# Allegro board RK3588S_Tablet_Demo_LP4XD200P232SD10H2_V11_20220218.brd (continued)
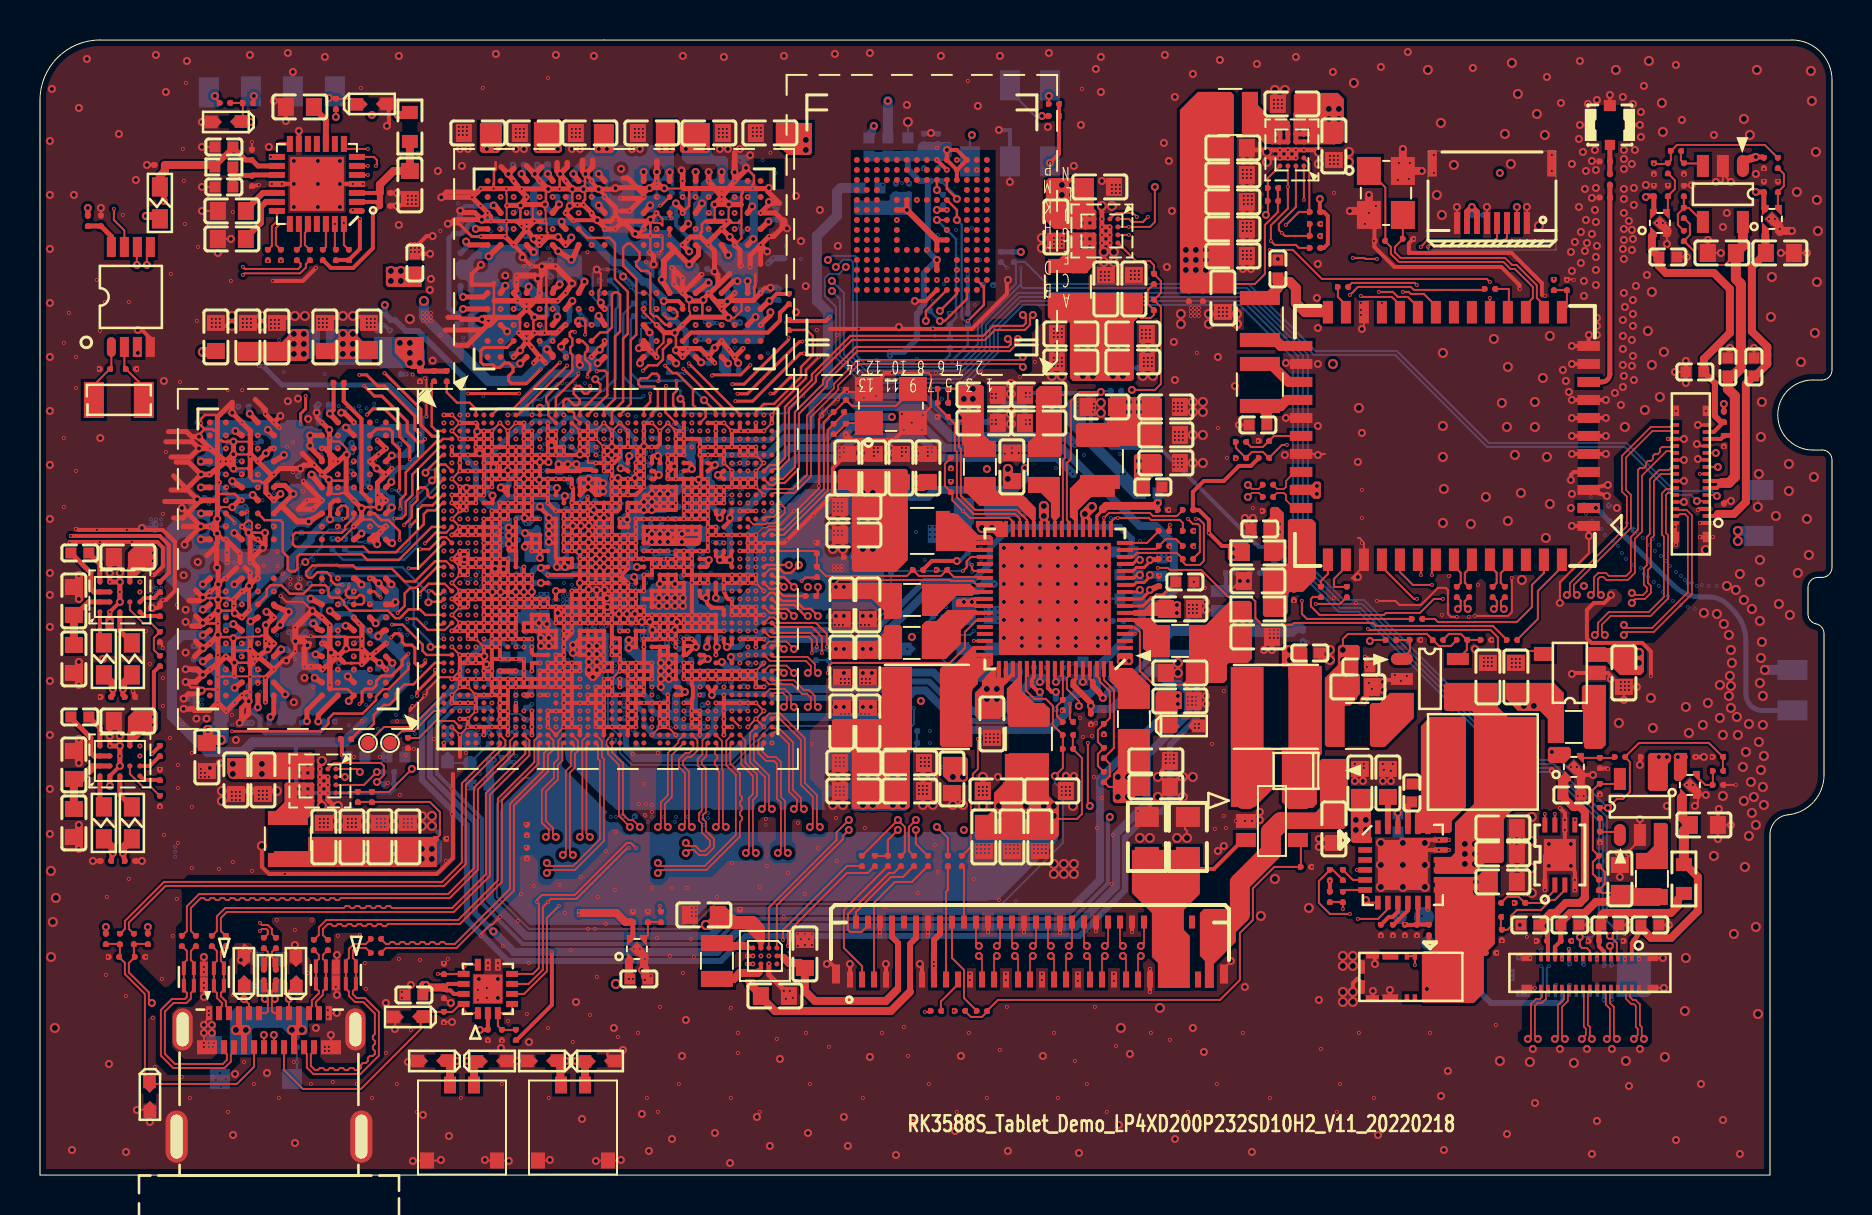
[diagram p0: board, top side]
## Nets (continued)
U3801.V12(VSS_46) U3801.W2(VSS_47) U3801.W4(VSS_48) U3801.W9(VSS_49) U3801.W11(VSS_50) U3801.Y1(VSS_51) U3801.Y5(VSS_52) U3801.Y8(VSS_53) U3801.Y12(VSS_54) U4000.A6(VSS2) U4000.C4(VSS3) U4000.E7(VSS4) U4000.G5(VSS5) U4000.H10(VSS6) U4000.J5(VSS1) U4000.K8(VSSQ1) U4000.N2(VSSQ2) U4000.N5(VSSQ3) U4000.P4(VSSQ4) U4000.P6(VSSQ5) U4600.N2(GND) U4600.N5(EP) U4601.N2(GND) U4601.N5(EP) U4602.2(GND) U4700.N2(GND) U4700.N5(EP) U4701.2(GND) U4702.N2(GND) U4702.N5(EP) U5602.2(GND) U6300.1(GND1) U6300.3(GND2) U6300.4(GND3) U6300.5(GND4) U6300.6(GND5) U6300.7(GND6) U6300.8(GND7) U6300.10(GND8) U6300.11(GND9) U6300.23(GND10) U6300.27(GND11) U6300.30(GND12) U6300.32(GND13) U6300.39(GND14) U7000.4(DGND) U7000.13(HPGND) U7000.18(AGND) U7000.29(E-PAD) U7003.2(GND) U7004.B1(PGND) U7004.B4(CGND) U7004.C3(AD2) U7005.B1(PGND) U7005.B4(CGND) U7005.C3(AD2) U7006.N2(GND) U7006.N5(EP) Y1100.2(GND#2) Y1100.4(GND#4) Y6300.2(GND#2) Y6300.4(GND#4)
VBUS_TYPEC: C2504.1 C2617.2 C9923.1 J2600.A4(VBUS_1) J2600.A9(VBUS_2) J2600.B4(VBUS_3) J2600.B9(VBUS_4) R2264.1 U2501.1(VBUS) U2600.2(VBUS)
VCC1V8_PMU_DDR_S3: C1101.1 C1106.1 C1107.1 C3841.1 C3842.1 C3843.1 C3844.1 C3845.1 C3846.1 C3847.1 C3848.1 C3883.1 C3884.1 C3885.1 C3886.1 C3887.1 C3888.1 C3889.1 C3890.1 R1111.1 R1112.1 R1113.1 R1114.1 R2210.1 R2211.1 U1000.N37(PMUIO1_1V8_1) U1000.R36(PMUIO1_1V8_2) U1000.V35(PMUIO2_1) U1000.V36(PMUIO2_2) U1000.V37(PMUIO2_1V8_1) U1000.Y37(PMUIO2_1V8_2) U3800.F1(VDD1_1) U3800.F12(VDD1_2) U3800.G4(VDD1_3) U3800.G9(VDD1_4) U3800.T4(VDD1_5) U3800.T9(VDD1_6) U3800.U1(VDD1_7) U3800.U12(VDD1_8) U3801.F1(VDD1_1) U3801.F12(VDD1_2) U3801.G4(VDD1_3) U3801.G9(VDD1_4) U3801.T4(VDD1_5) U3801.T9(VDD1_6) U3801.U1(VDD1_7) U3801.U12(VDD1_8)
VCC3V3_FLASH: C4005.1 C4006.1 C4007.1 R9693.2 U4000.E6(VCC1) U4000.F5(VCC2) U4000.J10(VCC3) U4000.K9(VCC4)
VCC3V3_PCIEWL_VBAT: C6316.1 C6317.1 R6314.1 U6300.36(VBAT)
VCC_1V1_NLDO_S3: C2257.1 C2264.1 C2325.1 C2326.1 C2327.1 L2303.2 R2313.1 U2200.9(VCC14) U2200.13(VCC13)
VCC_1V2_CAM1: C4600.1 C4601.1 C4629.1 C4630.1 J4600.6 J4600.7 J4600.13 R4645.1 U4602.5(OUT)
VCC_1V05: C4700.1 C4701.1 C4721.1 C4722.1 J4700.13 L4700.2 R4735.2
VCC_1V8_CAM1: C4602.1 C4603.1 C4623.1 J4600.14 U4601.N1(VOUT)
VCC_1V8_CAM34: C4702.1 C4703.1 C4719.1 J4700.14 U4700.N1(VOUT)
VCC_1V8_LCD: C9629.1 J5500.15 J5500.16 U7006.N1(VOUT)
VCC_1V8_S0: C1302.1 C1508.1 C1902.1 C1903.1 C1904.1 C1905.1 C1906.1 C2246.1 J7006.1 R1401.2 R1509.1 R1510.1 R1904.1 R1905.1 R1910.1 R1911.1 R1916.1 R1917.1 R1921.1 R1922.1 R2359.1 R9692.1 U1000.AC33(VCCIO5_1) U1000.AC34(VCCIO5_2) U1000.AF36(VCCIO5_1V8) U1000.AJ34(VCCIO6_1V8) U1000.AK11(VCCIO2_1V8) U1000.G27(VCCIO4_1V8_1) U1000.G28(VCCIO4_1V8_2) U1000.G31(VCCIO4) U1000.H31(VCCIO1_1V8) U2200.60(PLDO1)
VCC_1V8_S3: C2242.1 C2243.1 L2208.1 R2112.2 R2113.1 R2211.2 R2261.1 R2263.1 R6315.2 R9701.1 U2200.25(VOUT10)
VCC_1V8_S3_PLDO6: C2248.1 R2210.2 U2200.20(VCCIO)
VCC_2V0_PLDO_S3: C2244.1 C2245.1 C2247.1 L2209.2 U2200.41(VOUT7) U2200.59(VCC11)
VCC_2V8_AF_CAM34: C4706.1 C4707.1 J4700.6 R4718.2
VCC_2V8_CAM1: C4604.1 C4605.1 C4619.1 J4600.2 U4600.N1(VOUT)
VCC_2V8_CAM34: C4704.1 C4705.1 C4729.1 J4700.2 R4718.1 U4702.N1(VOUT)
VCC_3V3_S0: C1907.1 C2331.1 C9633.2 J7002.6 J7002.7 R1914.1 R1915.1 R2308.2 R2601.1 R9693.1 U1000.AL33(VCCIO6_1) U1000.AM33(VCCIO6_2) U2304.1(VOUT)
VCC_3V3_S3: C2238.1 C2239.1 C2330.1 C4618.1 C4620.1 C4628.1 C4716.1 C4727.1 C9628.1 L2206.1 R2302.1 R2615.2 R6314.2 U2200.5(VOUT8) U2304.5(IN) U4600.N4(VIN) U4601.N4(VIN) U4602.1(IN) U4700.N4(VIN) U4702.N4(VIN) U7006.N4(VIN)
VCC_BAT: BT2000.1 BT2000.8 BT2000.9 BT2000.10 BT2000.11 BT2000.12 C2509.1 C2510.1 C9616.1 L6303.1 R2002.1 R9680.1 R9681.2 U2501.13(BAT1) U2501.14(BAT2) U7003.5(VIN)
VCC_RTC: C2126.1 R9681.1 U2102.8(VDD)
VCC_SYSIN: C2200.1 C2201.1 C2213.1 C2225.1 C2226.1 C2235.1 C2236.1 C2241.1 C2252.1 C2254.1 C2300.1 C2301.1 C2308.1 C2309.1 C2316.1 C2317.1 C2324.1 C2507.1 C2508.1 C2614.1 C2615.1 C4720.1 C5500.1 C5501.1 C5609.1 C7034.1 C9621.1 ED2200.1 J7012.C1(VIN) L2500.2 L5600.1 R9691.1 U2200.1(VCC9) U2200.7(VCC8) U2200.21(VCCA) U2200.22(VCC4) U2200.27(VCC10) U2200.28(VCC6) U2200.33(VCC2_1) U2200.34(VCC2_2) U2200.43(VCC7) U2200.44(VCC5) U2200.52(VCC1_1) U2200.53(VCC1_2) U2200.54(VCC3) U2200.64(VCC12) U2300.D1(VIN_1) U2300.D2(VIN_2) U2300.E1(VIN_3) U2300.E2(VIN_4) U2301.D1(VIN_1) U2301.D2(VIN_2) U2301.E1(VIN_3) U2301.E2(VIN_4) U2302.D1(VIN_1) U2302.D2(VIN_2) U2302.E1(VIN_3) U2302.E2(VIN_4) U2303.4(VIN) U2501.15(SYS1) U2501.16(SYS2) U2600.12(VCONN_12) U2600.13(VCONN_13) U4701.4(VIN) U5602.6(IN) U7004.D4(VDD) U7005.D4(VDD)
VCCA1V8_CODEC: C7000.1 C7001.1 C7006.1 R7001.2 R7009.2 U7000.2(DVDD) U7000.3(PVDD)
VCCA3V3_CODEC: C7002.1 C7016.1 C7017.1 FB7000.2 R7000.1 R7012.1 U7000.16(HPVDD)
VCCA_3V3_S0: C1405.1 C2251.1 FB7000.1 R2308.1 U1000.AT10(USB20_AVDD_3V3) U2200.63(PLDO4)
VCCIO_FLASH: C1300.1 C4000.1 C4001.1 C4002.1 C4003.1 C4004.1 R4002.1 R4003.1 R4004.1 R9692.2 R9701.2 U1000.AB35(EMMCIO_1V8_1) U1000.AC35(EMMCIO_1V8_2) U4000.C6(VCCQ1) U4000.M4(VCCQ2) U4000.N4(VCCQ3) U4000.P3(VCCQ4) U4000.P5(VCCQ5)
VCCIO_SD_S0: C1301.1 C2253.1 U1000.AK10(VCCIO2) U2200.65(PLDO5)
VCCIO_WL: C6318.1 C6319.1 R6315.1 U6300.34(VDDIO)
VDD2_DDR_S3: C2214.1 C2215.1 C2216.1 C3826.1 C3827.1 C3828.1 C3829.1 C3830.1 C3831.1 C3832.1 C3833.1 C3834.1 C3835.1 C3836.1 C3837.1 C3838.1 C3839.1 C3840.1 C3868.1 C3869.1 C3870.1 C3871.1 C3872.1 C3873.1 C3874.1 C3875.1 C3876.1 C3877.1 C3878.1 C3879.1 C3880.1 C3881.1 C3882.1 L2202.1 R2218.1 R3800.1 R3801.2 R3802.1 R3803.2 R3809.2 R3820.2 U2200.30(VOUT6) U3800.A4(VDD2_1) U3800.A9(VDD2_2) U3800.AB4(VDD2_23) U3800.AB9(VDD2_24) U3800.F5(VDD2_3) U3800.F8(VDD2_4) U3800.H1(VDD2_5) U3800.H5(VDD2_6) U3800.H8(VDD2_7) U3800.H12(VDD2_8) U3800.K1(VDD2_9) U3800.K3(VDD2_10) U3800.K10(VDD2_11) U3800.K12(VDD2_12) U3800.N1(VDD2_13) U3800.N3(VDD2_14) U3800.N10(VDD2_15) U3800.N12(VDD2_16) U3800.R1(VDD2_17) U3800.R5(VDD2_18) U3800.R8(VDD2_19) U3800.R12(VDD2_20) U3800.U5(VDD2_21) U3800.U8(VDD2_22) U3801.A4(VDD2_1) U3801.A9(VDD2_2) U3801.AB4(VDD2_23) U3801.AB9(VDD2_24) U3801.F5(VDD2_3) U3801.F8(VDD2_4) U3801.H1(VDD2_5) U3801.H5(VDD2_6) U3801.H8(VDD2_7) U3801.H12(VDD2_8) U3801.K1(VDD2_9) U3801.K3(VDD2_10) U3801.K10(VDD2_11) U3801.K12(VDD2_12) U3801.N1(VDD2_13) U3801.N3(VDD2_14) U3801.N10(VDD2_15) U3801.N12(VDD2_16) U3801.R1(VDD2_17) U3801.R5(VDD2_18) U3801.R8(VDD2_19) U3801.R12(VDD2_20) U3801.U5(VDD2_21) U3801.U8(VDD2_22)
VDD5V8_LCD: C9613.1 J5500.11 J5500.12 J7012.D3(PO)
VDD_0V75_S3: C1105.1 C1125.1 C2255.1 U1000.AJ36(PMU_0V75_1) U1000.AJ37(PMU_0V75_2) U2200.14(NLDO1)
VDD_CPU_BIG0_S0: C1002.1 C1003.1 C1008.1 C1009.1 C1010.1 C1011.1 C1052.1 C1053.1 C1073.1 C1074.1 C1075.1 C2302.1 C2302.2 C2303.1 C2304.1 C2306.1 C2307.1 L2300.2 R2301.1 R2301.2 U1000.K27(VDD_CPU_BIG0_MEM_1) U1000.K28(VDD_CPU_BIG0_MEM_2) U1000.K29(VDD_CPU_BIG0_MEM_3) U1000.K30(VDD_CPU_BIG0_MEM_4) U1000.M24(VDD_CPU_BIG0_1) U1000.M25(VDD_CPU_BIG0_2) U1000.M28(VDD_CPU_BIG0_3) U1000.M29(VDD_CPU_BIG0_4) U1000.M30(VDD_CPU_BIG0_5) U1000.N24(VDD_CPU_BIG0_6) U1000.N25(VDD_CPU_BIG0_7) U1000.P23(VDD_CPU_BIG0_8) U1000.R23(VDD_CPU_BIG0_9) U1000.R24(VDD_CPU_BIG0_10) U2300.A4(VOUT)
VDD_CPU_BIG1_MEM_S0: C1025.1 C1026.1 C1076.1 C2356.1 FB2300.2 U1000.V26(VDD_CPU_BIG1_MEM_1) U1000.V27(VDD_CPU_BIG1_MEM_2) U1000.V28(VDD_CPU_BIG1_MEM_3) U1000.V29(VDD_CPU_BIG1_MEM_4)
VDD_CPU_BIG1_S0: C1012.1 C1013.1 C1014.1 C1015.1 C1056.1 C1057.1 C1077.1 C1078.1 C1079.1 C2310.1 C2310.2 C2311.1 C2312.1 C2314.1 C2315.1 FB2300.1 L2301.2 R2305.1 R2305.2 U1000.R26(VDD_CPU_BIG1_1) U1000.R27(VDD_CPU_BIG1_2) U1000.R28(VDD_CPU_BIG1_3) U1000.R29(VDD_CPU_BIG1_4) U1000.R30(VDD_CPU_BIG1_5) U1000.R31(VDD_CPU_BIG1_6) U1000.R32(VDD_CPU_BIG1_7) U1000.R33(VDD_CPU_BIG1_8) U1000.T26(VDD_CPU_BIG1_9) U1000.U26(VDD_CPU_BIG1_10) U2301.A4(VOUT)
VDD_CPU_LIT_S0: C1027.1 C1028.1 C1029.1 C1034.1 C1035.1 C1060.1 C1061.1 C1081.1 C1082.1 C1083.1 C2217.1 C2218.1 C2221.1 C2221.2 C2281.1 L2203.2 R2219.1 R2219.2 U1000.AA28(VDD_CPU_LIT_MEM_1) U1000.AA29(VDD_CPU_LIT_MEM_2) U1000.AA30(VDD_CPU_LIT_MEM_3) U1000.AB31(VDD_CPU_LIT_1) U1000.AC27(VDD_CPU_LIT_2) U1000.AC28(VDD_CPU_LIT_3) U1000.AC29(VDD_CPU_LIT_4) U1000.AC30(VDD_CPU_LIT_5) U1000.AC31(VDD_CPU_LIT_6) U1000.AD26(VDD_CPU_LIT_7) U1000.AD27(VDD_CPU_LIT_8) U1000.AE27(VDD_CPU_LIT_9) U2200.37(VOUT2)
VDD_DDR_S0: C1217.1 C1218.1 C1219.1 C1220.1 C1221.1 C1222.1 C1223.1 C1224.1 C2202.1 C2203.1 C9922.1 C9922.2 L2200.1 R2200.1 R2200.2 U1000.J18(DDR_CH1_VDD_1) U1000.J20(DDR_CH1_VDD_MIF_1) U1000.K18(DDR_CH1_VDD_2) U1000.K20(DDR_CH1_VDD_MIF_2) U1000.L18(DDR_CH1_VDD_3) U1000.L20(DDR_CH1_VDD_MIF_3) U1000.T12(DDR_CH0_VDD_1) U1000.T13(DDR_CH0_VDD_2) U1000.U12(DDR_CH0_VDD_3) U1000.U13(DDR_CH0_VDD_4) U1000.V12(DDR_CH0_VDD_MIF_1) U1000.V13(DDR_CH0_VDD_MIF_2) U1000.V14(DDR_CH0_VDD_MIF_3) U2200.46(VOUT5)
VDD_GPU_S0: C1000.1 C1001.1 C1004.1 C1005.1 C1006.1 C1007.1 C1050.1 C1051.1 C1070.1 C1071.1 C1072.1 C1087.1 C2205.1 C2209.1 C2209.2 C2210.1 C2280.1 L2201.2 R2208.1 R2208.2 U1000.AH18(VDD_GPU_1) U1000.AH19(VDD_GPU_2) U1000.AH20(VDD_GPU_3) U1000.AH21(VDD_GPU_4) U1000.AJ18(VDD_GPU_MEM_1) U1000.AJ19(VDD_GPU_5) U1000.AJ20(VDD_GPU_6) U1000.AJ21(VDD_GPU_7) U1000.AK18(VDD_GPU_MEM_2) U1000.AK21(VDD_GPU_8) U1000.AL18(VDD_GPU_MEM_3) U1000.AL21(VDD_GPU_9) U1000.AM21(VDD_GPU_10) U1000.AM22(VDD_GPU_11) U1000.AN21(VDD_GPU_12) U1000.AN22(VDD_GPU_13) U2200.49(VOUT1)
VDD_LOGIC_S0: C1017.1 C1019.1 C1020.1 C1021.1 C1022.1 C1023.1 C1024.1 C1058.1 C1059.1 C2230.1 C2230.2 C2231.1 C2232.1 C2282.1 L2205.2 R2238.1 R2238.2 U1000.AF12(VDD_LOGIC_5) U1000.AF13(VDD_LOGIC_6) U1000.AH11(VDD_LOGIC_7) U1000.AH12(VDD_LOGIC_8) U1000.AH13(VDD_LOGIC_9) U1000.AH14(VDD_LOGIC_10) U1000.AH15(VDD_LOGIC_11) U1000.AH23(VDD_LOGIC_12) U1000.AH24(VDD_LOGIC_13) U1000.AJ15(VDD_LOGIC_14) U1000.AJ31(VDD_LOGIC_15) U1000.AJ32(VDD_LOGIC_16) U1000.AK15(VDD_LOGIC_17) U1000.AL31(VDD_LOGIC_18) U1000.H27(VDD_LOGIC_1) U1000.J27(VDD_LOGIC_2) U1000.W33(VDD_LOGIC_3) U1000.Y33(VDD_LOGIC_4) U2200.56(VOUT3)
VDD_NPU_S0: C1038.1 C1039.1 C1040.1 C1041.1 C1042.1 C1043.1 C1054.1 C1055.1 C1084.1 C1085.1 C2318.1 C2318.2 C2319.1 C2320.1 C2322.1 C2323.1 L2302.2 R2309.1 R2309.2 U1000.AH25(VDD_NPU_MEM_1) U1000.AH26(VDD_NPU_MEM_2) U1000.AJ25(VDD_NPU_MEM_3) U1000.AK25(VDD_NPU_MEM_4) U1000.AK27(VDD_NPU_1) U1000.AK28(VDD_NPU_2) U1000.AK29(VDD_NPU_3) U1000.AL28(VDD_NPU_4) U1000.AL29(VDD_NPU_5) U1000.AL30(VDD_NPU_6) U1000.AM30(VDD_NPU_7) U1000.AN30(VDD_NPU_8) U1000.AP30(VDD_NPU_9) U2302.A4(VOUT)
VDD_VDENC_S0: C1030.1 C1031.1 C1032.1 C1033.1 C1036.1 C1037.1 C1063.1 C1080.1 C1090.1 C2237.1 C2240.1 C2283.1 C2291.1 C2291.2 L2207.2 R2209.1 R2209.2 U1000.AC16(VDD_VDENC_6) U1000.AD15(VDD_VDENC_7) U1000.P15(VDD_VDENC_1) U1000.R15(VDD_VDENC_2) U1000.T15(VDD_VDENC_3) U1000.U15(VDD_VDENC_4) U1000.W16(VDD_VDENC_5) U1000.W17(VDD_VDENC_MEM_1) U1000.Y17(VDD_VDENC_MEM_2) U2200.24(VOUT4)
VDDA_0V75_S0: C1103.1 C1113.1 C1407.1 C1507.1 C1602.1 C1603.1 C1605.1 C1611.1 C1613.1 C1710.1 C1711.1 C1712.1 C1725.1 C2259.1 U1000.AM13(HDMI/EDP_TX0_VDD_0V75_1) U1000.AM37(MIPI_CSI0_AVCC0V75) U1000.AN8(OTP_VDDOTP_0V75) U1000.AN10(HDMI/EDP_TX0_AVDD_0V75) U1000.AN12(HDMI/EDP_TX0_VDD_0V75_2) U1000.AR27(MIPI_D/C_PHY1_VDD) U1000.AR33(MIPI_D/C_PHY0_VDD) U1000.AT11(USB20_DVDD_0V75_1) U1000.AT12(USB20_DVDD_0V75_2) U1000.Y26(PLL_DVDD0V75) U2200.11(NLDO3)
VDDA_0V85_S0: C1400.1 C1401.1 C1402.1 C1800.1 C1801.1 C2263.1 U1000.AP18(TYPEC0_DP0_VDDA_0V85_1) U1000.AR19(TYPEC0_DP0_VDDA_0V85_2) U1000.AT18(TYPEC0_DP0_VDD_0V85) U1000.H36(PCIE20_SATA30_0_AVDD_0V85) U1000.J36(PCIE20_SATA30_USB30_2_AVDD_0V85) U2200.10(NLDO4)
VDDA_1V2_S0: C1607.1 C1608.1 C2250.1 U1000.AR34(MIPI_D/C_PHY_VDD_1V2_1) U1000.AR35(MIPI_D/C_PHY_VDD_1V2_2) U2200.57(PLDO3)
VDDA_DDR_PLL_S0: C1210.1 C1215.1 C2258.1 U1000.AB14(DDR_CH0_PLL_DVDD) U1000.M16(DDR_CH1_PLL_DVDD) U2200.12(NLDO2)
VDDQ_DDR: C3807.1 C3808.1 C3809.1 C3810.1 C3811.1 C3812.1 C3813.1 C3814.1 C3815.1 C3816.1 C3817.1 C3818.1 C3819.1 C3820.1 C3821.1 C3822.1 C3823.1 C3824.1 C3825.1 C3849.1 C3850.1 C3851.1 C3852.1 C3853.1 C3854.1 C3855.1 C3856.1 C3857.1 C3858.1 C3859.1 C3860.1 C3861.1 C3862.1 C3863.1 C3864.1 C3865.1 C3866.1 C3867.1 R3804.1 R3805.1 R3806.1 R3807.1 R3808.1 R3809.1 U3800.AA3(VDDQ_17) U3800.AA5(VDDQ_18) U3800.AA8(VDDQ_19) U3800.AA10(VDDQ_20) U3800.B3(VDDQ_1) U3800.B5(VDDQ_2) U3800.B8(VDDQ_3) U3800.B10(VDDQ_4) U3800.D1(VDDQ_5) U3800.D5(VDDQ_6) U3800.D8(VDDQ_7) U3800.D12(VDDQ_8) U3800.F3(VDDQ_9) U3800.F10(VDDQ_10) U3800.U3(VDDQ_11) U3800.U10(VDDQ_12) U3800.W1(VDDQ_13) U3800.W5(VDDQ_14) U3800.W8(VDDQ_15) U3800.W12(VDDQ_16) U3801.AA3(VDDQ_17) U3801.AA5(VDDQ_18) U3801.AA8(VDDQ_19) U3801.AA10(VDDQ_20) U3801.B3(VDDQ_1) U3801.B5(VDDQ_2) U3801.B8(VDDQ_3) U3801.B10(VDDQ_4) U3801.D1(VDDQ_5) U3801.D5(VDDQ_6) U3801.D8(VDDQ_7) U3801.D12(VDDQ_8) U3801.F3(VDDQ_9) U3801.F10(VDDQ_10) U3801.U3(VDDQ_11) U3801.U10(VDDQ_12) U3801.W1(VDDQ_13) U3801.W5(VDDQ_14) U3801.W8(VDDQ_15) U3801.W12(VDDQ_16)
VDDQ_DDR_CK_S0: C1213.1 C1216.1 R3821.1 U1000.H24(DDR_CH1_VDDQ_CK) U1000.K9(DDR_CH0_VDDQ_CK_1) U1000.L9(DDR_CH0_VDDQ_CK_2)
VDDQ_DDR_CKE_S3: C1211.1 C1212.1 R3820.1 U1000.G24(DDR_CH1_VDDQ_CKE) U1000.M6(DDR_CH0_VDDQ_CKE_1) U1000.M7(DDR_CH0_VDDQ_CKE_2)
VDDQ_DDR_S0: C1200.1 C1202.1 C1203.1 C1204.1 C1205.1 C1206.1 C1207.1 C1208.1 C1250.1 C1251.1 C1252.1 C1253.1 C2227.1 C2228.1 C2229.1 L2204.1 R1200.2 R1201.2 R1202.2 R1203.2 R2236.1 R3808.2 R3821.2 U1000.H14(DDR_CH1_VDDQ_1) U1000.H15(DDR_CH1_VDDQ_2) U1000.H16(DDR_CH1_VDDQ_3) U1000.H18(DDR_CH1_VDDQ_4) U1000.H20(DDR_CH1_VDDQ_5) U1000.P10(DDR_CH0_VDDQ_1) U1000.R10(DDR_CH0_VDDQ_2) U1000.T10(DDR_CH0_VDDQ_3) U1000.V10(DDR_CH0_VDDQ_4) U1000.W10(DDR_CH0_VDDQ_5) U1000.Y10(DDR_CH0_VDDQ_6) U2200.67(VOUT9)
VEE5V8_LCD: C9612.1 J5500.8 J5500.9 J7012.A2(NO)
32KOUT_WIFI: C6323.1 R2114.2 U6300.31(LPO)
ALPS_INT_L: J7002.2 U1000.N41(GPIO1_C1_Z)
BIG/NPU_EN: R2302.2 R2303.1 U2300.A2(EN) U2301.A2(EN) U2302.A2(EN)
BL_PWM_OUT: J5500.18 R5617.1
BQ_OTG_EN_H: U1000.AV18(GPIO4_A6_D) U2501.8(OTG)
BT_REG_ON: R6336.2 U6300.38(BT_REG_ON)
BT_REG_ON_H: R6336.1 U1000.AL39(GPIO0_D4_U)
BT_WAKE_HOST: R9700.2 U6300.50(BT_HOST_WAKE)
BT_WAKE_HOST_H: R9700.1 U1000.AG38(GPIO0_C5_U)
CC_INT0_L: U1000.AL38(GPIO0_C4_D) U2600.5(INT#)
CHG_INT_L: U1000.AW39(GPIO3_C3_D) U2501.7(INT)
CHG_REF: C2511.1 R2504.1 TP2501.1 U2501.22(REGN)
CHRG_OK_H: U1000.AM39(GPIO0_D5_U) U2501.4(STAT)
DDR_CH0_A0_A: U1000.U1(DDR_CH0_A0_A) U3800.H2(CA0_A)
DDR_CH0_A0_B: U1000.U2(DDR_CH0_A0_B) U3800.R2(CA0_B)
DDR_CH0_A1_A: U1000.AC2(DDR_CH0_A1_A) U3800.J2(CA1_A)
DDR_CH0_A1_B: U1000.R2(DDR_CH0_A1_B) U3800.P2(CA1_B)
DDR_CH0_A2_A: U1000.AF1(DDR_CH0_A2_A) U3800.H9(CA2_A)
DDR_CH0_A2_B: U1000.R1(DDR_CH0_A2_B) U3800.R9(CA2_B)
DDR_CH0_A3_A: U1000.AL2(DDR_CH0_A3_A) U3800.H10(CA3_A)
DDR_CH0_A3_B: U1000.D2(DDR_CH0_A3_B) U3800.R10(CA3_B)
DDR_CH0_A4_A: U1000.Y1(DDR_CH0_A4_A) U3800.H11(CA4_A)
DDR_CH0_A4_B: U1000.E1(DDR_CH0_A4_B) U3800.R11(CA4_B)
DDR_CH0_A5_A: U1000.AG2(DDR_CH0_A5_A) U3800.J11(CA5_A)
DDR_CH0_A5_B: U1000.L1(DDR_CH0_A5_B) U3800.P11(CA5_B)
DDR_CH0_CLKN_A: U1000.AA1(DDR_CH0_CKB_A) U3800.J9(CK_C_A)
DDR_CH0_CLKN_B: U1000.V1(DDR_CH0_CKB_B) U3800.P9(CK_C_B)
DDR_CH0_CLKP_A: U1000.AA2(DDR_CH0_CK_A) U3800.J8(CK_T_A)
DDR_CH0_CLKP_B: U1000.V2(DDR_CH0_CK_B) U3800.P8(CK_T_B)
DDR_CH0_DM0_A: U1000.AE1(DDR_CH0_DM0_A) U3800.C3(DMI0_A)
DDR_CH0_DM0_B: U1000.V5(DDR_CH0_DM0_B) U3800.Y3(DMI0_B)
DDR_CH0_DM1_A: U1000.AK4(DDR_CH0_DM1_A) U3800.C10(DMI1_A)
DDR_CH0_DM1_B: U1000.G2(DDR_CH0_DM1_B) U3800.Y10(DMI1_B)
DDR_CH0_DQ0_A: U1000.AJ2(DDR_CH0_DQ0_A) U3800.B2(DQ0_A)
DDR_CH0_DQ0_B: U1000.U3(DDR_CH0_DQ0_B) U3800.AA2(DQ0_B)
DDR_CH0_DQ1_A: U1000.AB4(DDR_CH0_DQ1_A) U3800.C2(DQ1_A)
DDR_CH0_DQ1_B: U1000.AA5(DDR_CH0_DQ1_B) U3800.Y2(DQ1_B)
DDR_CH0_DQ2_A: U1000.AJ1(DDR_CH0_DQ2_A) U3800.E2(DQ2_A)
DDR_CH0_DQ2_B: U1000.N1(DDR_CH0_DQ2_B) U3800.V2(DQ2_B)
DDR_CH0_DQ3_A: U1000.AB3(DDR_CH0_DQ3_A) U3800.F2(DQ3_A)
DDR_CH0_DQ3_B: U1000.U5(DDR_CH0_DQ3_B) U3800.U2(DQ3_B)
DDR_CH0_DQ4_A: U1000.AB5(DDR_CH0_DQ4_A) U3800.F4(DQ4_A)
DDR_CH0_DQ4_B: U1000.P4(DDR_CH0_DQ4_B) U3800.U4(DQ4_B)
DDR_CH0_DQ5_A: U1000.AE5(DDR_CH0_DQ5_A) U3800.E4(DQ5_A)
DDR_CH0_DQ5_B: U1000.P3(DDR_CH0_DQ5_B) U3800.V4(DQ5_B)
DDR_CH0_DQ6_A: U1000.AE2(DDR_CH0_DQ6_A) U3800.C4(DQ6_A)
DDR_CH0_DQ6_B: U1000.U4(DDR_CH0_DQ6_B) U3800.Y4(DQ6_B)
DDR_CH0_DQ7_A: U1000.AF3(DDR_CH0_DQ7_A) U3800.B4(DQ7_A)
DDR_CH0_DQ7_B: U1000.P5(DDR_CH0_DQ7_B) U3800.AA4(DQ7_B)
DDR_CH0_DQ8_A: U1000.AK5(DDR_CH0_DQ8_A) U3800.B11(DQ8_A)
DDR_CH0_DQ8_B: U1000.G5(DDR_CH0_DQ8_B) U3800.AA11(DQ8_B)
DDR_CH0_DQ9_A: U1000.AN5(DDR_CH0_DQ9_A) U3800.C11(DQ9_A)
DDR_CH0_DQ9_B: U1000.J3(DDR_CH0_DQ9_B) U3800.Y11(DQ9_B)
DDR_CH0_DQ10_A: U1000.AN4(DDR_CH0_DQ10_A) U3800.E11(DQ10_A)
DDR_CH0_DQ10_B: U1000.G4(DDR_CH0_DQ10_B) U3800.V11(DQ10_B)
DDR_CH0_DQ11_A: U1000.AJ6(DDR_CH0_DQ11_A) U3800.F11(DQ11_A)
DDR_CH0_DQ11_B: U1000.J4(DDR_CH0_DQ11_B) U3800.U11(DQ11_B)
DDR_CH0_DQ12_A: U1000.AJ3(DDR_CH0_DQ12_A) U3800.F9(DQ12_A)
DDR_CH0_DQ12_B: U1000.N5(DDR_CH0_DQ12_B) U3800.U9(DQ12_B)
DDR_CH0_DQ13_A: U1000.AK3(DDR_CH0_DQ13_A) U3800.E9(DQ13_A)
DDR_CH0_DQ13_B: U1000.N2(DDR_CH0_DQ13_B) U3800.V9(DQ13_B)
DDR_CH0_DQ14_A: U1000.AF4(DDR_CH0_DQ14_A) U3800.C9(DQ14_A)
DDR_CH0_DQ14_B: U1000.J5(DDR_CH0_DQ14_B) U3800.Y9(DQ14_B)
DDR_CH0_DQ15_A: U1000.AF5(DDR_CH0_DQ15_A) U3800.B9(DQ15_A)
DDR_CH0_DQ15_B: U1000.N6(DDR_CH0_DQ15_B) U3800.AA9(DQ15_B)
DDR_CH0_DQS0N_A: U1000.AN2(DDR_CH0_DQS0N_A) U3800.E3(DQS0_C_A)
DDR_CH0_DQS0N_B: U1000.B1(DDR_CH0_DQS0N_B) U3800.V3(DQS0_C_B)
DDR_CH0_DQS0P_A: U1000.AN1(DDR_CH0_DQS0P_A) U3800.D3(DQS0_T_A)
DDR_CH0_DQS0P_B: U1000.B2(DDR_CH0_DQS0P_B) U3800.W3(DQS0_T_B)
DDR_CH0_DQS1N_A: U1000.AV3(DDR_CH0_DQS1N_A) U3800.E10(DQS1_C_A)
DDR_CH0_DQS1N_B: U1000.K2(DDR_CH0_DQS1N_B) U3800.V10(DQS1_C_B)
DDR_CH0_DQS1P_A: U1000.AV4(DDR_CH0_DQS1P_A) U3800.D10(DQS1_T_A)
DDR_CH0_DQS1P_B: U1000.K1(DDR_CH0_DQS1P_B) U3800.W10(DQS1_T_B)
DDR_CH0_LP4/4X_CKE0_A: R3810.1 U1000.AK1(DDR_CH0_LP4/4X_CKE0/LP5_CS0_A)
DDR_CH0_LP4/4X_CKE0_B: R3812.2 U1000.H2(DDR_CH0_LP4/4X_CKE0/LP5_CS0_B)
DDR_CH0_LP4/4X_CKE1_A: R3811.1 U1000.AD1(DDR_CH0_LP4/4X_CKE1/LP5_CS1_A)
DDR_CH0_LP4/4X_CKE1_B: R3813.2 U1000.F1(DDR_CH0_LP4/4X_CKE1/LP5_CS1_B)
DDR_CH0_LP4/4X_CS0_A: U1000.Y2(DDR_CH0_LP4/4X_CS0_A) U3800.H4(CS0_A)
DDR_CH0_LP4/4X_CS0_B: U1000.J1(DDR_CH0_LP4/4X_CS0_B) U3800.R4(CS0_B)
DDR_CH0_LP4/4X_CS1_A: U1000.AC1(DDR_CH0_LP4/4X_CS1_A) U3800.H3(CS1_A)
DDR_CH0_LP4/4X_CS1_B: U1000.M1(DDR_CH0_LP4/4X_CS1_B) U3800.R3(CS1_B)
DDR_CH1_A0_C: U1000.B18(DDR_CH1_A0_C) U3801.H2(CA0_A)
DDR_CH1_A0_D: U1000.A26(DDR_CH1_A0_D) U3801.R2(CA0_B)
DDR_CH1_A1_C: U1000.A21(DDR_CH1_A1_C) U3801.J2(CA1_A)
DDR_CH1_A1_D: U1000.A27(DDR_CH1_A1_D) U3801.P2(CA1_B)
DDR_CH1_A2_C: U1000.B22(DDR_CH1_A2_C) U3801.H9(CA2_A)
DDR_CH1_A2_D: U1000.A30(DDR_CH1_A2_D) U3801.R9(CA2_B)
DDR_CH1_A3_C: U1000.A7(DDR_CH1_A3_C) U3801.H10(CA3_A)
DDR_CH1_A3_D: U1000.A36(DDR_CH1_A3_D) U3801.R10(CA3_B)
DDR_CH1_A4_C: U1000.A10(DDR_CH1_A4_C) U3801.H11(CA4_A)
DDR_CH1_A4_D: U1000.B33(DDR_CH1_A4_D) U3801.R11(CA4_B)
DDR_CH1_A5_C: U1000.A15(DDR_CH1_A5_C) U3801.J11(CA5_A)
DDR_CH1_A5_D: U1000.A38(DDR_CH1_A5_D) U3801.P11(CA5_B)
DDR_CH1_CLKN_C: U1000.D21(DDR_CH1_CKB_C) U3801.J9(CK_C_A)
DDR_CH1_CLKN_D: U1000.D23(DDR_CH1_CKB_D) U3801.P9(CK_C_B)
DDR_CH1_CLKP_C: U1000.C21(DDR_CH1_CK_C) U3801.J8(CK_T_A)
DDR_CH1_CLKP_D: U1000.C23(DDR_CH1_CK_D) U3801.P8(CK_T_B)
DDR_CH1_DM0_C: U1000.E17(DDR_CH1_DM0_C) U3801.C3(DMI0_A)
DDR_CH1_DM0_D: U1000.D27(DDR_CH1_DM0_D) U3801.Y3(DMI0_B)
DDR_CH1_DM1_C: U1000.D13(DDR_CH1_DM1_C) U3801.C10(DMI1_A)
DDR_CH1_DM1_D: U1000.C33(DDR_CH1_DM1_D) U3801.Y10(DMI1_B)
DDR_CH1_DQ0_C: U1000.B20(DDR_CH1_DQ0_C) U3801.B2(DQ0_A)
DDR_CH1_DQ0_D: U1000.A24(DDR_CH1_DQ0_D) U3801.AA2(DQ0_B)
DDR_CH1_DQ1_C: U1000.E20(DDR_CH1_DQ1_C) U3801.C2(DQ1_A)
DDR_CH1_DQ1_D: U1000.C25(DDR_CH1_DQ1_D) U3801.Y2(DQ1_B)
DDR_CH1_DQ2_C: U1000.A20(DDR_CH1_DQ2_C) U3801.E2(DQ2_A)
DDR_CH1_DQ2_D: U1000.B24(DDR_CH1_DQ2_D) U3801.V2(DQ2_B)
DDR_CH1_DQ3_C: U1000.F20(DDR_CH1_DQ3_C) U3801.F2(DQ3_A)
DDR_CH1_DQ3_D: U1000.A28(DDR_CH1_DQ3_D) U3801.U2(DQ3_B)
DDR_CH1_DQ4_C: U1000.C17(DDR_CH1_DQ4_C) U3801.F4(DQ4_A)
DDR_CH1_DQ4_D: U1000.D25(DDR_CH1_DQ4_D) U3801.U4(DQ4_B)
DDR_CH1_DQ5_C: U1000.C16(DDR_CH1_DQ5_C) U3801.E4(DQ5_A)
DDR_CH1_DQ5_D: U1000.B28(DDR_CH1_DQ5_D) U3801.V4(DQ5_B)
DDR_CH1_DQ6_C: U1000.D17(DDR_CH1_DQ6_C) U3801.C4(DQ6_A)
DDR_CH1_DQ6_D: U1000.C27(DDR_CH1_DQ6_D) U3801.Y4(DQ6_B)
